# KiCad board AMC_FMC_Carrier-PcbDoc.kicad_pcb (continued)
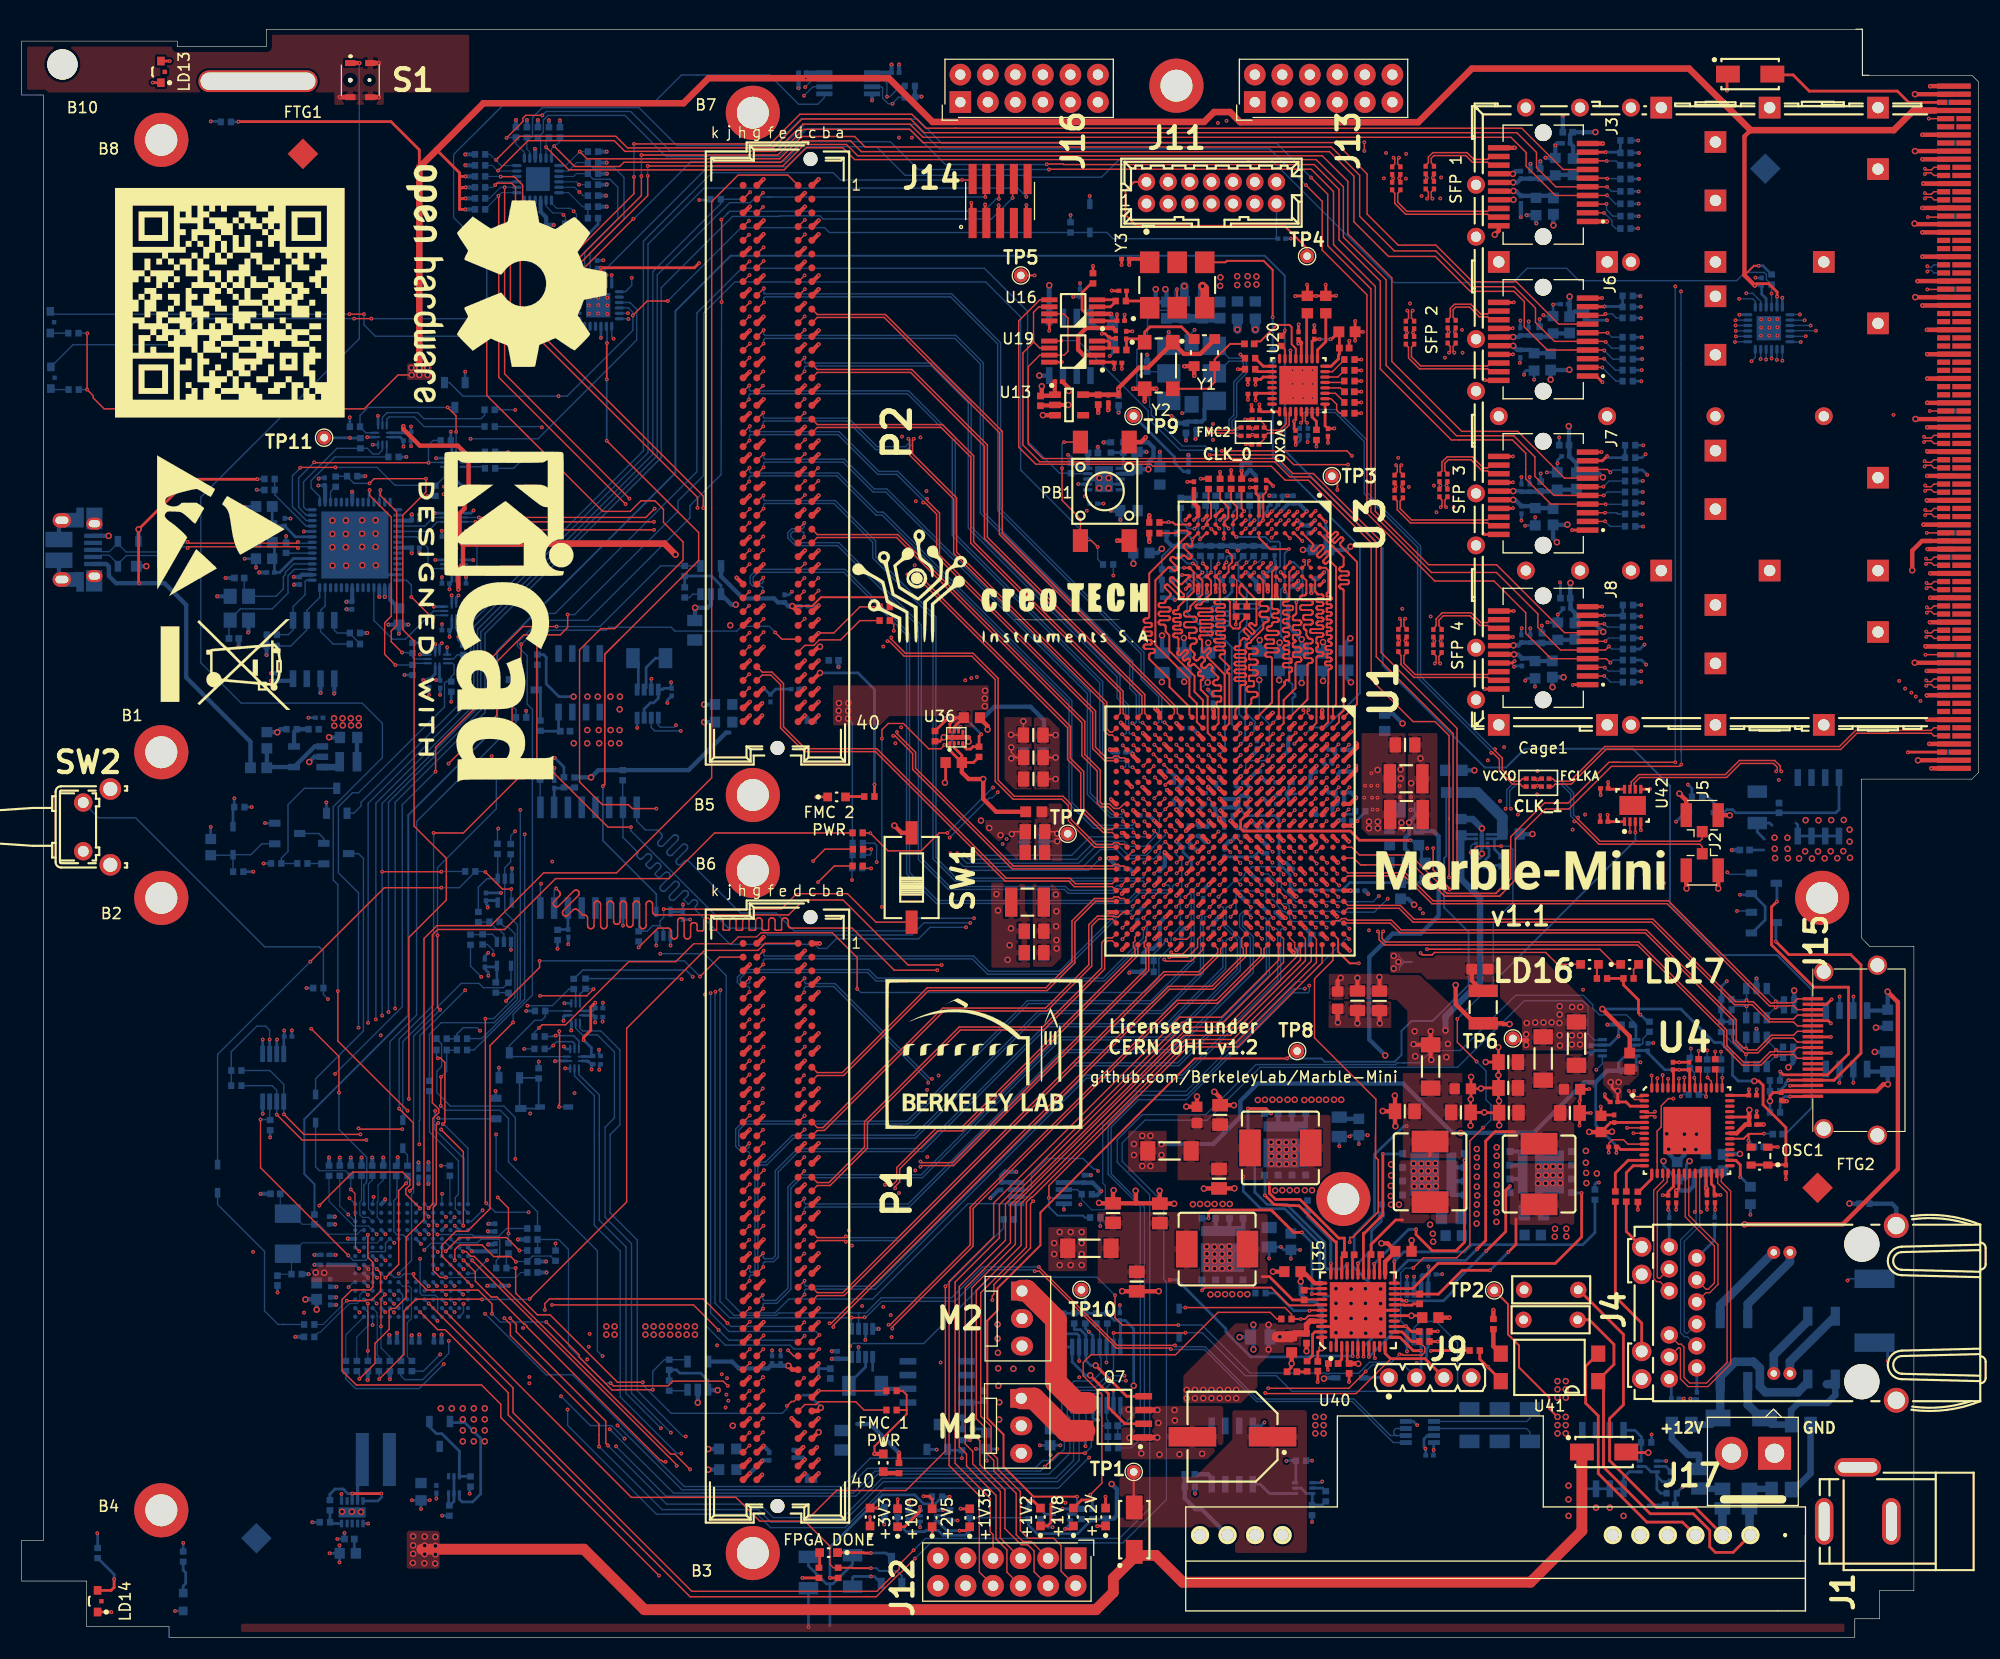
[diagram p0: board, top side]
## Nets (continued)
+3V3P: C40.2 C136.1 C179.1 C181.1 C190.1 C191.2 C192.2 C197.1 C198.1 C200.1 C201.1 C202.1 C203.1 C204.1 C205.1 C206.1 C207.1 C208.1 C209.1 C215.1 C342.1 C351.1 C358.1 C359.1 C380.1 C382.1 C388.1 D5.1 J14.1 L9.1 P3.4 Q15.4 Q25.2 R39.1 R40.1 R41.1 R45.2 R46.2 R47.2 R48.2 R57.2 R75.2 R128.1 R130.1 R133.1 R134.1 R138.2 R139.2 R140.2 R143.1 R145.1 R172.1 R173.1 R174.1 R175.1 R176.1 R177.1 R178.1 R179.1 R199.1 R204.1 R205.1 R234.1 R246.1 R258.1 R259.1 R260.1 R261.1 R263.1 R264.1 R265.1 R266.1 R267.1 R268.1 R273.1 R274.1 R309.1 R310.1 TP10.1 U2.C5 U2.E2 U2.E9 U2.E10 U2.E12 U2.G1 U2.J14 U2.K1 U2.K8 U2.L4 U2.L11 U2.N9 U5.21 U7.5 U10.5 U17.4 U24.6 U25.6 U27.8 U28.6 U28.7 U28.8 U29.7 U29.8 U32.4 U32.7 U34.21 U34.23 U39.18 U39.21 U43.4 U44.1 U45.1 U46.8 U47.8
+5V: C363.1 R193.1
+12V: C103.1 C105.1 C134.1 C135.1 C137.1 C141.1 C151.1 C153.1 C155.1 C157.1 C159.1 C161.1 C195.1 C331.1 C343.1 C344.1 M1.2 M2.2 Q10.2 Q10.3 Q10.4 Q10.10 Q11.2 Q11.3 Q11.4 Q11.10 Q12.2 Q12.3 Q12.4 Q12.10 Q13.2 Q13.3 Q13.4 Q13.10 Q16.1 Q16.2 Q16.3 Q23.1 Q23.2 Q23.3 R202.1 R203.1 R249.1 R252.1 R254.1 R256.1 R257.1 R301.2 R302.2 R303.2 U12.8 U35.41 U43.1
+12V_AMC: C357.1 P3.2 P3.9 P3.18 P3.27 P3.42 P3.57 P3.72 P3.84 Q3.1 Q3.2 Q3.3 R111.2
+12V_FMC1: C61.1 C62.1 P1.c35 P1.c37 R182.2 R235.1 U17.2
+12V_FMC2: C5.1 C6.1 P2.c35 P2.c37 R183.2 R236.1 U32.2
/FPGA/FPGA_PWR&MISC/GNDADC: C222.2 C224.2 L28.2 U1.K9 U1.L9 U1.L10 U1.M9 U1.M10
/FPGA/FPGA_PWR&MISC/VCCADC: C222.1 C224.1 L27.2 U1.K10
/Power/+12VS: C131.1 Q1.4 Q2.1 Q2.2 Q2.3 Q3.5 Q3.6 Q3.7 Q3.8 Q4.1 Q4.2 Q4.3 Q22.4 R111.1 R301.1 R302.1 R303.1 TP2.1 U43.2
GND: B1.1 B2.1 B3.1 B4.1 B5.1 B6.1 B7.1 B8.1 B11.1 B12.1 B13.1 C1.2 C2.2 C3.2 C4.2 C5.2 C6.2 C7.2 C8.2 C9.2 C10.2 C11.2 C12.1 C13.1 C14.2 C15.2 C16.2 C17.2 C18.2 C19.2 C20.2 C21.2 C22.2 C23.2 C24.2 C25.2 C26.2 C27.2 C28.2 C29.2 C30.1 C31.2 C32.2 C33.1 C34.2 C35.2 C36.2 C37.2 C38.2 C39.2 C40.1 C41.2 C42.1 C43.2 C44.2 C45.2 C46.2 C47.1 C48.2 C49.2 C50.2 C51.2 C52.2 C53.2 C54.2 C55.2 C56.2 C57.2 C58.2 C59.2 C60.2 C61.2 C62.2 C63.2 C64.2 C65.2 C66.2 C67.2 C68.1 C69.1 C70.2 C71.2 C72.1 C73.2 C74.2 C75.1 C76.2 C77.2 C78.2 C79.2 C80.2 C81.2 C82.2 C83.2 C84.1 C85.2 C86.2 C87.1 C88.2 C89.2 C90.2 C91.2 C92.2 C93.2 C94.2 C95.2 C96.1 C97.2 C98.2 C99.1 C100.2 C101.2 C103.2 C104.2 C105.2 C106.2 C107.2 C108.2 C109.2 C110.2 C111.2 C112.2 C113.2 C115.2 C116.2 C117.2 C118.2 C119.2 C120.2 C121.2 C122.2 C123.2 C124.2 C125.2 C126.2 C127.2 C128.2 C129.2 C130.2 C131.2 C132.2 C133.2 C136.2 C137.2 C138.1 C139.2 C140.2 C141.2 C142.2 C143.2 C144.2 C145.2 C146.2 C151.2 C152.2 C153.2 C154.2 C155.2 C156.2 C157.2 C158.2 C159.2 C160.2 C161.2 C162.2 C163.2 C164.2 C165.2 C166.2 C167.2 C168.2 C169.2 C170.2 C171.2 C172.2 C173.2 C174.2 C175.2 C176.2 C177.2 C178.2 C179.2 C180.2 C181.2 C182.2 C183.2 C184.2 C185.2 C186.2 C187.2 C190.2 C191.1 C192.1 C193.2 C194.2 C195.2 C196.2 C197.2 C198.2 C199.2 C200.2 C201.2 C202.2 C203.2 C204.2 C205.2 C206.2 C207.2 C208.2 C209.2 C210.2 C211.2 C212.2 C213.2 C214.2 C215.2 C216.2 C217.2 C218.2 C219.2 C220.2 C221.2 C223.2 C225.2 C226.2 C227.2 C228.2 C229.2 C230.2 C231.2 C232.2 C233.2 C234.2 C235.2 C236.2 C237.2 C238.2 C239.2 C240.2 C241.2 C242.2 C243.2 C244.2 C245.2 C246.2 C247.2 C248.2 C249.2 C250.2 C251.2 C252.2 C253.2 C254.2 C255.2 C256.2 C257.2 C258.2 C259.2 C260.2 C261.2 C262.2 C263.2 C264.2 C265.2 C266.2 C267.2 C268.2 C269.2 C270.2 C271.2 C272.2 C273.2 C274.2 C275.2 C276.2 C277.2 C278.2 C279.2 C280.2 C281.2 C282.2 C283.2 C284.2 C285.2 C286.2 C287.2 C330.2 C331.2 C332.2 C333.2 C334.2 C335.2 C336.2 C337.2 C338.2 C339.2 C340.2 C341.2 C342.2 C343.2 C344.2 C345.2 C346.2 C347.2 C348.2 C349.2 C350.2 C351.2 C352.2 C353.2 C354.2 C355.2 C356.2 C358.2 C359.2 C360.2 C361.2 C362.2 C363.2 C364.2 C365.1 C366.1 C367.1 C368.1 C369.1 C370.2 C371.2 C372.2 C373.2 C375.2 C376.2 C377.2 C380.2 C381.2 C382.2 C383.2 C384.2 C387.2 C388.2 C389.1 Cage1.1 Cage1.2 Cage1.3 Cage1.4 Cage1.5 Cage1.6 Cage1.7 Cage1.8 Cage1.9 Cage1.10 Cage1.11 Cage1.12 Cage1.13 Cage1.14 Cage1.15 Cage1.16 Cage1.17 Cage1.18 Cage1.19 Cage1.20 Cage1.21 Cage1.22 Cage1.23 Cage1.24 Cage1.25 Cage1.26 Cage1.27 Cage1.28 Cage1.29 Cage1.30 Cage1.31 Cage1.32 Cage1.33 Cage1.34 Cage1.35 Cage1.36 Cage1.37 Cage1.38 Cage1.39 Cage1.40 Cage1.41 Cage1.42 Cage1.43 Cage1.44 Cage1.45 Cage1.46 D9.2 D10.2 D11.2 D13.1 D15.2 J1.3 J2.2 J3.1 J3.10 J3.11 J3.14 J3.17 J3.20 J5.2 J6.1 J6.10 J6.11 J6.14 J6.17 J6.20 J7.1 J7.10 J7.11 J7.14 J7.17 J7.20 J8.1 J8.10 J8.11 J8.14 J8.17 J8.20 J9.4 J10.5 J10.6 J11.1 J11.3 J11.5 J11.7 J11.9 J11.11 J12.9 J12.10 J13.9 J13.10 J14.3 J14.5 J14.9 J15.2 J15.5 J15.8 J15.11 J15.17 J15.20 J16.9 J16.10 J17.1 L28.1 LD1.1 LD2.1 LD4.1 LD6.1 LD10.1 OSC1.2 P1.c1 P1.c4 P1.c5 P1.c8 P1.c9 P1.c12 P1.c13 P1.c16 P1.c17 P1.c20 P1.c21 P1.c24 P1.c25 P1.c28 P1.c29 P1.c32 P1.c33 P1.c36 P1.c38 P1.c40 P1.d2 P1.d3 P1.d6 P1.d7 P1.d10 P1.d13 P1.d16 P1.d19 P1.d22 P1.d25 P1.d28 P1.d37 P1.d39 P1.g1 P1.g4 P1.g5 P1.g8 P1.g11 P1.g14 P1.g17 P1.g20 P1.g23 P1.g26 P1.g29 P1.g32 P1.g35 P1.g38 P1.g40 P1.h3 P1.h6 P1.h9 P1.h12 P1.h15 P1.h18 P1.h21 P1.h24 P1.h27 P1.h30 P1.h33 P1.h36 P1.h39 P2.c1 P2.c4 P2.c5 P2.c8 P2.c9 P2.c12 P2.c13 P2.c16 P2.c17 P2.c20 P2.c21 P2.c24 P2.c25 P2.c28 P2.c29 P2.c32 P2.c33 P2.c36 P2.c38 P2.c40 P2.d2 P2.d3 P2.d6 P2.d7 P2.d10 P2.d13 P2.d16 P2.d19 P2.d22 P2.d25 P2.d28 P2.d37 P2.d39 P2.g1 P2.g4 P2.g5 P2.g8 P2.g11 P2.g14 P2.g17 P2.g20 P2.g23 P2.g26 P2.g29 P2.g32 P2.g35 P2.g38 P2.g40 P2.h3 P2.h6 P2.h9 P2.h12 P2.h15 P2.h18 P2.h21 P2.h24 P2.h27 P2.h30 P2.h33 P2.h36 P2.h39 P3.1 P3.7 P3.10 P3.13 P3.16 P3.19 P3.22 P3.25 P3.28 P3.31 P3.34 P3.37 P3.40 P3.43 P3.46 P3.49 P3.52 P3.55 P3.58 P3.61 P3.64 P3.67 P3.70 P3.73 P3.76 P3.79 P3.82 P3.85 P3.86 P3.89 P3.92 P3.95 P3.98 P3.101 P3.104 P3.107 P3.110 P3.113 P3.116 P3.119 P3.122 P3.125 P3.128 P3.131 P3.134 P3.137 P3.140 P3.143 P3.146 P3.149 P3.152 P3.155 P3.158 P3.161 P3.164 P3.170 PB1.3 PB1.4 Q5.2 Q6.2 Q7.1 Q7.3 Q8.2 Q9.2 Q10.5 Q10.6 Q10.7 Q11.5 Q11.6 Q11.7 Q12.5 Q12.6 Q12.7 Q13.5 Q13.6 Q13.7 Q17.2 Q18.2 Q19.2 Q24.2 Q26.1 Q26.4 Q27.1 Q27.4 R24.1 R25.1 R26.1 R28.2 R30.2 R33.2 R42.2 R43.2 R44.2 R59.1 R60.1 R61.1 R65.1 R66.1 R69.2 R77.2 R84.1 R86.2 R96.1 R97.1 R98.1 R99.1 R100.1 R101.1 R102.1 R104.2 R105.1 R108.2 R110.2 R116.2 R119.2 R120.1 R127.2 R132.2 R137.2 R142.2 R144.2 R146.2 R147.2 R158.2 R165.1 R169.1 R170.2 R171.2 R180.2 R181.2 R185.1 R187.1 R188.2 R189.2 R190.1 R191.1 R192.1 R194.1 R196.2 R198.2 R201.2 R212.2 R222.2 R243.1 R272.1 R281.2 R284.2 R285.2 R297.1 R298.1 R300.1 S1.2 S1.3 S1.4 SW1.2 SW2.1 SW3.1 U1.A2 U1.A3 U1.A5 U1.A7 U1.A9 U1.A11 U1.A12 U1.A22 U1.AA2 U1.AA12 U1.AA22 U1.AB9 U1.AB19 U1.B3 U1.B12 U1.B19 U1.C3 U1.C6 U1.C10 U1.C12 U1.C16 U1.D3 U1.D4 U1.D8 U1.D12 U1.D13 U1.E4 U1.E5 U1.E7 U1.E9 U1.E11 U1.E12 U1.E20 U1.F5 U1.F11 U1.F17 U1.G5 U1.G6 U1.G7 U1.G8 U1.G9 U1.G10 U1.G12 U1.G14 U1.H1 U1.H7 U1.H9 U1.H11 U1.H21 U1.J8 U1.J10 U1.J12 U1.J18 U1.K5 U1.K7 U1.K11 U1.K15 U1.L2 U1.L8 U1.L22 U1.M7 U1.M11 U1.M19 U1.N6 U1.N8 U1.N16 U1.P3 U1.P7 U1.P9 U1.P11 U1.P13 U1.R8 U1.R10 U1.R12 U1.R20 U1.T7 U1.T9 U1.T11 U1.T17 U1.U4 U1.U14 U1.V1 U1.V11 U1.V21 U1.W8 U1.W18 U1.Y5 U1.Y15 U2.A10 U2.B4 U2.C11 U2.D13 U2.F3 U2.G13 U2.H3 U2.H4 U2.L8 U2.L9 U2.L13 U2.P4 U3.A9 U3.B1 U3.B3 U3.B9 U3.D1 U3.D8 U3.E1 U3.E2 U3.E8 U3.F9 U3.G1 U3.G8 U3.G9 U3.J2 U3.J8 U3.M1 U3.M9 U3.P1 U3.P9 U3.T1 U3.T9 U4.10 U4.57 U5.9 U6.2 U7.3 U8.3 U9.1 U9.3 U10.3 U11.1 U11.3 U12.2 U12.3 U12.6 U12.7 U13.2 U14.4 U14.5 U15.2 U15.3 U16.8 U17.3 U17.7 U17.8 U18.1 U18.6 U18.11 U19.8 U20.22 U20.33 U21.5 U22.2 U23.10 U23.21 U23.41 U23.45 U23.57 U24.2 U24.3 U25.1 U25.2 U25.3 U26.3 U27.10 U27.13 U28.4 U28.5 U29.4 U29.5 U29.6 U30.10 U31.4 U31.8 U31.11 U32.3 U32.8 U33.1 U33.3 U34.9 U34.18 U34.24 U34.25 U35.2 U35.17 U35.42 U35.45 U36.5 U36.9 U37.5 U37.9 U38.2 U38.3 U38.10 U39.9 U39.23 U39.24 U39.25 U40.7 U40.10 U42.2 U42.4 U42.5 U43.3 U43.8 U44.2 U45.2 U46.4 U47.4 Y1.3 Y2.2 Y3.3 Y4.2 Y4.4 Y6.3
VCCAUX: C223.1 C226.1 C227.1 C229.1 C231.1 C233.1 C235.1 C237.1 L15.2 TP7.1 U1.H12 U1.K12 U1.M12 U1.P12 U1.R11
VCCBRAM: C2.1 C3.1 C216.1 C218.1 C220.1 L33.2 U1.J11 U1.L11 U1.N11
/ALERT: R172.2 U27.14 U39.5
/AMC_connector/AMC_En: P3.41 R145.2 R155.1
/AMC_connector/AMC_GA0: P3.5 R148.1
/AMC_connector/AMC_GA1: P3.17 R149.1
/AMC_connector/AMC_GA2: P3.26 R150.1
/AMC_connector/AMC_TCK: P3.165
/AMC_connector/AMC_TDI: P3.169
/AMC_connector/AMC_TDO: P3.168
/AMC_connector/AMC_TMS: P3.166
/AMC_connector/AMC_TRST: P3.167
/AMC_connector/FCLKA_N: C294.1 P3.81
/AMC_connector/FCLKA_P: C292.1 P3.80
/AMC_connector/I2C_IPMB_SCL: P3.56 R133.2 U2.M1
/AMC_connector/I2C_IPMB_SDA: P3.71 R134.2 U2.L3
/AMC_connector/PS0#: D1.1 P3.83
/AMC_connector/PS1#: D1.2 P3.3
/AMC_connector/Rx0_N: P3.15 U4.2
/AMC_connector/Rx0_P: P3.14 U4.1
/AMC_connector/Rx1_N: P3.24
/AMC_connector/Rx1_P: P3.23
/AMC_connector/Rx2_N: P3.33
/AMC_connector/Rx2_P: P3.32
/AMC_connector/Rx3_N: P3.39
/AMC_connector/Rx3_P: P3.38
/AMC_connector/Rx8_N: P3.87
/AMC_connector/Rx8_P: P3.88
/AMC_connector/Rx9_N: P3.93
/AMC_connector/Rx9_P: P3.94
/AMC_connector/Rx10_N: P3.99
/AMC_connector/Rx10_P: P3.100
/AMC_connector/Rx11_N: P3.105
/AMC_connector/Rx11_P: P3.106
/AMC_connector/Rx12_N: P3.111
/AMC_connector/Rx12_P: P3.112
/AMC_connector/Rx13_N: P3.117
/AMC_connector/Rx13_P: P3.118
/AMC_connector/Rx14_N: P3.123
/AMC_connector/Rx14_P: P3.124
/AMC_connector/Rx15_N: P3.129
/AMC_connector/Rx15_P: P3.130
/AMC_connector/Rx17_N: P3.141
/AMC_connector/Rx17_P: P3.142
/AMC_connector/Rx18_N: P3.147 U42.7
/AMC_connector/Rx18_P: P3.148 U42.6
/AMC_connector/Rx19_N: P3.153
/AMC_connector/Rx19_P: P3.154
/AMC_connector/Rx20_N: P3.159
/AMC_connector/Rx20_P: P3.160
/AMC_connector/TCLKA_N: P3.75 U1.J21
/AMC_connector/TCLKA_P: P3.74 U1.J20
/AMC_connector/TCLKB_N: P3.78
/AMC_connector/TCLKB_P: P3.77
/AMC_connector/TCLKC_N: P3.135
/AMC_connector/TCLKC_P: P3.136
/AMC_connector/TCLKD_N: P3.138
/AMC_connector/TCLKD_P: P3.139
/AMC_connector/Tx1_N: P3.21
/AMC_connector/Tx1_P: P3.20
/AMC_connector/Tx2_N: P3.30
/AMC_connector/Tx2_P: P3.29
/AMC_connector/Tx3_N: P3.36
/AMC_connector/Tx3_P: P3.35
/AMC_connector/Tx8_N: P3.90
/AMC_connector/Tx8_P: P3.91
/AMC_connector/Tx9_N: P3.96
/AMC_connector/Tx9_P: P3.97
/AMC_connector/Tx10_N: P3.102
/AMC_connector/Tx10_P: P3.103
/AMC_connector/Tx11_N: P3.108
/AMC_connector/Tx11_P: P3.109
/AMC_connector/Tx12_N: P3.114
/AMC_connector/Tx12_P: P3.115
/AMC_connector/Tx13_N: P3.120
/AMC_connector/Tx13_P: P3.121
/AMC_connector/Tx14_N: P3.126
/AMC_connector/Tx14_P: P3.127
/AMC_connector/Tx15_N: P3.132
/AMC_connector/Tx15_P: P3.133
/AMC_connector/Tx17_N: P3.144
/AMC_connector/Tx17_P: P3.145
/AMC_connector/Tx18_N: P3.150
/AMC_connector/Tx18_P: P3.151
/AMC_connector/Tx19_N: P3.156
/AMC_connector/Tx19_P: P3.157
/AMC_connector/Tx20_N: P3.162
/AMC_connector/Tx20_P: P3.163
/EN_CON_JTAG: C193.1 D14.1 D15.1 J11.13 Q6.1 R166.2 U39.4
/EN_USB_JTAG: Q5.1 R127.1 R200.1 U39.3
/ESDSTRIP1: R243.2 R244.1
/ESDSTRIP2: R244.2
/ETH_PHY/CLK_25MHZ: C102.2 C374.2 R95.2
/ETH_PHY/MDI0_N: J4.10 U4.27
/ETH_PHY/MDI0_P: J4.11 U4.28
/ETH_PHY/MDI1_N: J4.5 U4.23
/ETH_PHY/MDI1_P: J4.4 U4.24
/ETH_PHY/MDI2_N: J4.2 U4.21
/ETH_PHY/MDI2_P: J4.3 U4.22
/ETH_PHY/MDI3_N: J4.9 U4.17
/ETH_PHY/MDI3_P: J4.8 U4.18
/ETH_PHY/MII_MDC: U2.B8 U6.4
/ETH_PHY/MII_MDIO: R62.1 U2.C9 U6.5
/ETH_PHY/PHY_RSTn: U1.M17 U4.16
/ETH_PHY/POE_VC1: D6.1 J4.13
/ETH_PHY/POE_VC2: D7.1 J4.14
/ETH_PHY/POE_VC3: D6.2 J4.15
/ETH_PHY/POE_VC4: D7.2 J4.16
/ETH_PHY/RGMII_RX_CLK: R292.2 U1.L19
/ETH_PHY/RGMII_RX_DV: R291.2 U1.H15
/ETH_PHY/RGMII_RXD0: R293.2 U1.K13
/ETH_PHY/RGMII_RXD1: R294.2 U1.H14
/ETH_PHY/RGMII_RXD2: R295.2 U1.J14
/ETH_PHY/RGMII_RXD3: R296.2 U1.K14
/ETH_PHY/RGMII_TX_CLK: U1.J15 U4.53
/ETH_PHY/RGMII_TX_EN: U1.J16 U4.56
/ETH_PHY/RGMII_TXD0: U1.G15 U4.50
/ETH_PHY/RGMII_TXD1: U1.G16 U4.51
/ETH_PHY/RGMII_TXD2: U1.G13 U4.54
/ETH_PHY/RGMII_TXD3: U1.H13 U4.55
/ETH_PHY/SD_OUT_N: P3.12 U4.5
/ETH_PHY/SD_OUT_P: P3.11 U4.4
/FANFAIL: R173.2 U27.5 U39.6
/FMC1_PRSNT_M2C_L: P1.h2 R63.1 R234.2
/FMC1_PRSNT_Override: D18.2 R151.1
/FMC1_TCK: P1.d29 R239.1 R241.2
/FMC1_TDI: P1.d30 R277.1
/FMC1_TDO: P1.d31 R278.1
/FMC1_TMS: P1.d33 R240.1 R242.2
/FMC1_TRST: P1.d34 R289.2 R290.1
/FMC2_PRSNT_M2C_L: P2.h2 R205.2 R276.1
/FMC2_PRSNT_Override: D17.2 R152.1
/FMC2_TCK: P2.d29 R241.1
/FMC2_TDI: P2.d30 R279.1
/FMC2_TDO: P2.d31 R280.1
/FMC2_TMS: P2.d33 R242.1
/FMC2_TRST: P2.d34 R289.1
/FMC_1/FMC1_3P3VAUX: C65.1 C66.1 P1.d32 U45.5
/FMC_1/FMC1_CLK0_M2C_N: P1.h5 U1.W20
/FMC_1/FMC1_CLK0_M2C_P: P1.h4 U1.W19
/FMC_1/FMC1_CLK1_M2C_N: P1.g3 U1.Y19
/FMC_1/FMC1_CLK1_M2C_P: P1.g2 U1.Y18
/FMC_1/FMC1_FUSE: R260.2 U2.F5 U45.4
/FMC_1/FMC1_GBTCLK0_M2C_N: C295.1 P1.d5
/FMC_1/FMC1_GBTCLK0_M2C_P: C293.1 P1.d4
/FMC_1/FMC1_PG_C2M: P1.d1 R153.1
/FMC_1/I2C_FMC1_SCL: P1.c30 R45.1 U5.2
/FMC_1/I2C_FMC1_SDA: P1.c31 R46.1 U5.1
/FMC_2/FMC2_3P3VAUX: C9.1 C10.1 P2.d32 R299.1 U44.5
/FMC_2/FMC2_CLK0_M2C_N: P2.h5 U1.W4
/FMC_2/FMC2_CLK0_M2C_P: P2.h4 U1.V4
/FMC_2/FMC2_CLK1_M2C_N: P2.g3 U1.T4
/FMC_2/FMC2_CLK1_M2C_P: P2.g2 U1.R4
/FMC_2/FMC2_FUSE: R258.2 U2.E1 U44.4
/FMC_2/FMC2_GBTCLK0_M2C_N: C291.1 P2.d5
/FMC_2/FMC2_GBTCLK0_M2C_P: C290.1 P2.d4
/FMC_2/FMC2_PG_C2M: P2.d1 R154.1
/FMC_2/I2C_FMC2_SCL: P2.c30 R47.1 U5.4
/FMC_2/I2C_FMC2_SDA: P2.c31 R48.1 U5.3
/FMC_TCK: R239.2 U2.F14
/FMC_TDI: R237.1 U2.M14
/FMC_TDO: R275.2 U2.N13
/FMC_TMS: R240.2 U2.P14
/FMC_TRST: R290.2 U2.K12
/FPGA/CCLK: U1.L12 U30.16
/FPGA/CFG_WP_B: U11.4 U39.8
/FPGA/CLK20_VCXO: R103.2 U1.D17
/FPGA/DDR3_CAS: R1.2 U1.J6 U3.K3
/FPGA/DDR3_CK_N: R21.2 U1.P4 U3.K7
/FPGA/DDR3_CK_P: R20.2 U1.P5 U3.J7
/FPGA/DDR3_CKE: R22.2 U1.L1 U3.K9
/FPGA/DDR3_CS: R24.2 U3.L2
/FPGA/DDR3_LDM: U1.G2 U3.E7
/FPGA/DDR3_LDQS_N: U1.J2 U3.G3
/FPGA/DDR3_LDQS_P: U1.K2 U3.F3
/FPGA/DDR3_ODT: R25.2 U1.K4 U3.K1
/FPGA/DDR3_RAS: R2.2 U1.J4 U3.J3
/FPGA/DDR3_RST_N: R26.2 U1.G4 U3.T2
/FPGA/DDR3_UDM: U1.E2 U3.D3
/FPGA/DDR3_UDQS_N: U1.D1 U3.B7
/FPGA/DDR3_UDQS_P: U1.E1 U3.C7
/FPGA/DDR3_WE: R3.2 U1.K3 U3.L3
/FPGA/DXN_0: R129.1 U1.N9
/FPGA/DXP_0: C188.1 C189.1 U1.N10 U27.9
/FPGA/EXP_INT: R199.2 U34.22 U39.22 U47.7
/FPGA/FPGA_13_14/CFG_D02: R209.1 U1.P21
/FPGA/FPGA_13_14/CFG_D03: R210.1 U1.R21
/FPGA/FPGA_13_14/CFG_DIN: U1.R22 U30.8
/FPGA/FPGA_13_14/CFG_FCS: R223.2 U1.T19 U30.7
/FPGA/FPGA_13_14/CFG_MOSI: U1.P22 U30.15
/FPGA/FPGA_13_14/CFG_PUDC: R221.2 R222.1 U1.U22
/FPGA/FPGA_13_14/CFG_WP: R209.2 SW1.1 U11.2 U30.9
/FPGA/FPGA_15_16/HDMI_5V: C37.1 C104.1 J15.18 R217.1 R218.1 R220.1 U12.1
/FPGA/FPGA_15_16/HDMI_HPD: J15.19 R220.2
/FPGA/FPGA_15_16/I2C_SCL: R305.2 U1.A14 U46.2
/FPGA/FPGA_15_16/I2C_SDA: R304.2 U1.A13 U46.3
/FPGA/FPGA_15_16/Rx18_SE: U1.B21 U42.3
/FPGA/FPGA_15_16/TMDS0_N: D11.6 J15.9 R206.2 U1.A20
/FPGA/FPGA_15_16/TMDS0_P: D11.1 J15.7 R207.2 U1.B20
/FPGA/FPGA_15_16/TMDS1_N: D10.6 J15.6 R208.2 U1.A19
/FPGA/FPGA_15_16/TMDS1_P: D10.1 J15.4 R211.2 U1.A18
/FPGA/FPGA_15_16/TMDS2_N: D10.4 J15.3 R219.2 U1.A16
/FPGA/FPGA_15_16/TMDS2_P: D10.3 J15.1 R226.2 U1.A15
/FPGA/FPGA_15_16/TMDS_CLK_N: D11.4 J15.12 R141.2 U1.B18
/FPGA/FPGA_15_16/TMDS_CLK_P: D11.3 J15.10 R164.2 U1.B17
/FPGA/FPGA_DONE: Q19.1 R162.2 R313.2 U1.G11 U2.B11
/FPGA/FPGA_INT: U1.F18 U2.J10
/FPGA/FPGA_MGT/EXT_CLK_N: C379.1 J2.1
/FPGA/FPGA_MGT/EXT_CLK_P: C378.1 J5.1
/FPGA/FPGA_MGT/MGT_CLK_0_N: C291.2 C297.2 C386.2 U1.E6
/FPGA/FPGA_MGT/MGT_CLK_0_P: C290.2 C296.2 C385.2 U1.F6
/FPGA/FPGA_MGT/MGT_CLK_1_N: C289.2 C294.2 C295.2 C379.2 U1.E10
/FPGA/FPGA_MGT/MGT_CLK_1_P: C288.2 C292.2 C293.2 C378.2 U1.F10
/FPGA/FPGA_MGT/MGT_RX_0_N: C307.2 C323.2 U1.A8
/FPGA/FPGA_MGT/MGT_RX_0_P: C306.2 C322.2 U1.B8
/FPGA/FPGA_MGT/MGT_RX_1_N: C309.2 C325.2 U1.C11
/FPGA/FPGA_MGT/MGT_RX_1_P: C308.2 C324.2 U1.D11
/FPGA/FPGA_MGT/MGT_RX_2_N: C311.2 C327.2 U1.A10
/FPGA/FPGA_MGT/MGT_RX_2_P: C310.2 C326.2 U1.B10
/FPGA/FPGA_MGT/MGT_RX_3_N: C313.2 C329.2 U1.C9
/FPGA/FPGA_MGT/MGT_RX_3_P: C312.2 C328.2 U1.D9
/FPGA/FPGA_MGT/MGT_TX_0_N: C299.2 C315.2 U1.A4
/FPGA/FPGA_MGT/MGT_TX_0_P: C298.2 C314.2 U1.B4
/FPGA/FPGA_MGT/MGT_TX_1_N: C301.2 C317.2 U1.C5
/FPGA/FPGA_MGT/MGT_TX_1_P: C300.2 C316.2 U1.D5
/FPGA/FPGA_MGT/MGT_TX_2_N: C303.2 C319.2 U1.A6
/FPGA/FPGA_MGT/MGT_TX_2_P: C302.2 C318.2 U1.B6
/FPGA/FPGA_MGT/MGT_TX_3_N: C305.2 C321.2 U1.C7
/FPGA/FPGA_MGT/MGT_TX_3_P: C304.2 C320.2 U1.D7
/FPGA/FPGA_MISO: U1.F20 U2.J12
/FPGA/FPGA_MOSI: U1.F19 U2.J13
/FPGA/FPGA_PWR&MISC/FPGA_INIT: R159.1 R282.1 U1.U12
/FPGA/FPGA_REF_CLK0_N: C288.1 R59.2 U20.5
/FPGA/FPGA_REF_CLK0_P: C289.1 R60.2 U20.6
/FPGA/FPGA_REF_CLK1_N: C296.1 R61.2 U20.2
/FPGA/FPGA_REF_CLK1_P: C297.1 R169.2 U20.3
/FPGA/FPGA_RESETn: R142.1 R159.2 U2.H12
/FPGA/FPGA_SCK: U1.C20 U2.H13
/FPGA/FPGA_SSEL: U1.D20 U2.H14
/FPGA/FPGA_TCK: R229.1 U1.V12
/FPGA/FPGA_TDI: R215.1 U1.R13
/FPGA/FPGA_TDO: R216.1 U1.U13
/FPGA/FPGA_TMS: R228.1 U1.T13
/FPGA/FPGA_XR_GPIO_0: U1.B22 U35.9
/FPGA/I2C_APP_SCL: R57.1 U5.15 U17.5 U32.5 U34.19 U39.19 U43.5 Y6.8
/FPGA/I2C_APP_SDA: R75.1 U5.14 U17.6 U32.6 U34.20 U39.20 U43.6 U43.7 Y6.7
/FPGA/I2C_FPGA_SCL: R39.2 R136.1 U5.19 U46.7
/FPGA/I2C_FPGA_SDA: R40.2 R135.1 U5.20 U46.6
/FPGA/I2C_FPGA_SW_RST: R41.2 U5.24 U47.6
/FPGA/I2C_HDMI_SCL: Q20.2 R83.1 U5.17
/FPGA/I2C_HDMI_SDA: Q21.2 R91.1 U5.16
/FPGA/PROG_B: PB1.1 PB1.2 R160.2 U1.N12 U2.A11
/FPGA/Self_FPGA_TCK: U1.E18 U8.8
/FPGA/Self_FPGA_TDI: U1.D19 U8.9
/FPGA/Self_FPGA_TDO: U1.E19 U9.9
/FPGA/Self_FPGA_TMS: U1.C19 U9.8
/FPGA/SFP1_DEF0: J3.6 R37.2 U34.3
/FPGA/SFP1_LOS: J3.8 R38.2 U34.4
/FPGA/SFP1_RS: J3.7 U39.17
/FPGA/SFP1_TX_DIS: J3.3 R105.2 U34.2
/FPGA/SFP1_TX_FAULT: J3.2 R34.2 U34.1
/FPGA/SFP2_DEF0: J6.6 R73.2 U34.16
/FPGA/SFP2_LOS: J6.8 R74.2 U34.17
/FPGA/SFP2_RS: J6.7 U39.16
/FPGA/SFP2_TX_DIS: J6.3 R185.2 U34.15
/FPGA/SFP2_TX_FAULT: J6.2 R70.2 U34.14
/FPGA/SFP3_DEF0: J7.6 R81.2 U34.12
/FPGA/SFP3_LOS: J7.8 R82.2 U34.13
/FPGA/SFP3_RS: J7.7 U39.15
/FPGA/SFP3_TX_DIS: J7.3 R84.2 U34.11
/FPGA/SFP3_TX_FAULT: J7.2 R78.2 U34.10
/FPGA/SFP4_DEF0: J8.6 R90.2 U34.7
/FPGA/SFP4_LOS: J8.8 R186.2 U34.8
/FPGA/SFP4_RS: J8.7 U39.14
/FPGA/SFP4_TX_DIS: J8.3 R187.2 U34.6
/FPGA/SFP4_TX_FAULT: J8.2 R87.2 U34.5
/FPGA/SFP_1_RX_N: C307.1 J3.12
/FPGA/SFP_1_RX_P: C306.1 J3.13
/FPGA/SFP_1_TX_N: C299.1 J3.19
/FPGA/SFP_1_TX_P: C298.1 J3.18
/FPGA/SFP_2_RX_N: C309.1 J6.12
/FPGA/SFP_2_RX_P: C308.1 J6.13
/FPGA/SFP_2_TX_N: C301.1 J6.19
/FPGA/SFP_2_TX_P: C300.1 J6.18
/FPGA/SFP_3_RX_N: C311.1 J7.12
/FPGA/SFP_3_RX_P: C310.1 J7.13
/FPGA/SFP_3_TX_N: C303.1 J7.19
/FPGA/SFP_3_TX_P: C302.1 J7.18
/FPGA/SFP_4_RX_N: C313.1 J8.12
/FPGA/SFP_4_RX_P: C312.1 J8.13
/FPGA/SFP_4_TX_N: C305.1 J8.19
/FPGA/SFP_4_TX_P: C304.1 J8.18
/FPGA/SI570_CLK_N: C386.1 Y6.5
/FPGA/SI570_CLK_P: C385.1 Y6.4
/FPGA/VCXO_EN: U1.E13 Y3.2
/FPGA/WR_DAC1_SYNC: U1.C13 U19.5
/FPGA/WR_DAC2_SYNC: U1.D15 U16.5
/FPGA/WR_DAC_DIN: U1.B16 U16.7 U19.7
/FPGA/WR_DAC_SCLK: U1.B15 U16.6 U19.6
/FPGA_RTS: U1.W9 U15.5
/FPGA_RxD: U1.Y9 U38.5
/FPGA_TxD: U1.U7 U38.4
/I2C_MUX/I2C_SFP1_SCL: J3.5 R36.2 R49.1 U5.6
/I2C_MUX/I2C_SFP1_SDA: J3.4 R35.2 R50.1 U5.5
/I2C_MUX/I2C_SFP2_SCL: J6.5 R55.1 R72.2 U5.13
/I2C_MUX/I2C_SFP2_SDA: J6.4 R56.1 R71.2 U5.12
/I2C_MUX/I2C_SFP3_SCL: J7.5 R53.1 R80.2 U5.11
/I2C_MUX/I2C_SFP3_SDA: J7.4 R54.1 R79.2 U5.10
/I2C_MUX/I2C_SFP4_SCL: J8.5 R51.1 R89.2 U5.8
/I2C_MUX/I2C_SFP4_SDA: J8.4 R52.1 R88.2 U5.7
/JTAG/FMC1_TDI_R: R237.2 R277.2 U10.1
/JTAG/FMC1_TDO_R: R238.2 R278.2 U10.2
/JTAG/FMC2_TDI_R: R238.1 R279.2 U7.1
/JTAG/FMC2_TDO_R: R275.1 R280.2 U7.2
/JTAG/JTAG_TCK: J11.6 R229.2 R230.2 U8.5
/JTAG/JTAG_TDI: J11.10 R215.2 R231.2 U8.4
/JTAG/JTAG_TDO: J11.8 R216.2 R233.2 U9.4
/JTAG/JTAG_TMS: J11.4 R228.2 R232.2 U9.5
/LPC_RST: D3.2 J14.10 R138.1 U2.J1
/MMC/AT_DET: R179.2 U2.B5 U41.4
/MMC/BOOT_MODE0: R286.2 U2.P9
/MMC/BOOT_MODE1: R287.2 U2.P11
/MMC/BOOT_MODE2: R288.2 U2.P3
/MMC/EN_FMC1_P12V: Q8.1 R188.1 U2.M9
/MMC/EN_FMC2_P12V: Q9.1 R201.1 U2.P5
/MMC/EN_PSU_CH: R245.2 U2.K2
/MMC/HW_ID0: R144.1 U2.M4
/MMC/HW_ID1: R146.1 U2.N3
/MMC/HW_ID2: R147.1 U2.M3
/MMC/HW_ID3: R158.1 U2.K7
/MMC/I2C_PM_SCL: J9.2 R309.2 U2.N11 U27.16 U28.2 U29.2 U35.12
/MMC/I2C_PM_SDA: J9.3 R310.2 U2.M10 U27.15 U28.1 U29.1 U35.11
/MMC/ISP_RSTn: D3.1 Q14.3
/MMC/LPC_ISPn: R128.2 U2.M13 U24.5
/MMC/MMC_CONS_PROG_RxD: U2.A3 U25.5
/MMC/MMC_CONS_PROG_TxD: U2.D5 U25.4
/MMC/MMC_TRST: R139.1 U2.D4
/MMC/OVER_TEMP: D2.1 R178.2 U2.K5 U27.7 U28.3 U29.3
/MMC/Pmod3_0: J16.1 U2.D11
/MMC/Pmod3_1: J16.3 U2.A13
/MMC/Pmod3_2: J16.5 U2.C12
/MMC/Pmod3_3: J16.7 U2.B12
/MMC/Pmod3_4: J16.2 U2.M12
/MMC/Pmod3_5: J16.4 U2.E11
/MMC/Pmod3_6: J16.6 U2.G10
/MMC/Pmod3_7: J16.8 U2.C4
/MMC/SW: R143.2 S1.1 U2.F11
/MMC_TCK: J14.4 R137.1 U2.D2
/MMC_TDI: J14.8 U2.C3
/MMC_TDO: J14.6 U2.B1
/MMC_TMS: J14.2 R140.1 U2.C2
/PMOD/Pmod1_0: J12.1 U1.C18
/PMOD/Pmod1_1: J12.3 U1.D22
/PMOD/Pmod1_2: J12.5 U1.E22
/PMOD/Pmod1_3: J12.7 U1.G21
/PMOD/Pmod1_4: J12.2 U1.D21
/PMOD/Pmod1_5: J12.4 U1.E21
/PMOD/Pmod1_6: J12.6 U1.F21
/PMOD/Pmod1_7: J12.8 U1.G22
/PMOD/Pmod2_0: J13.1 U1.F13
/PMOD/Pmod2_1: J13.3 U1.C14
/PMOD/Pmod2_2: J13.5 U1.C15
/PMOD/Pmod2_3: J13.7 U1.D16
/PMOD/Pmod2_4: J13.2 U1.F14
/PMOD/Pmod2_5: J13.4 U1.F15
/PMOD/Pmod2_6: J13.6 U1.F16
/PMOD/Pmod2_7: J13.8 U1.E16
/Power/Power_SW/EN_1V2: R167.2 U35.14 U37.6
/Power/Power_SW/EN_1V8: R157.2 U35.13 U36.6
/Power/Power_SW/PSS_XRP_BST1: C147.1 U35.35
/Power/Power_SW/PSS_XRP_BST2: C148.1 U35.29
/Power/Power_SW/PSS_XRP_BST3: C149.1 U35.24
/Power/Power_SW/PSS_XRP_BST4: C150.1 U35.18
/Power/Power_SW/PSS_XRP_GH1: Q10.1 U35.36
/Power/Power_SW/PSS_XRP_GH2: Q11.1 U35.30
/Power/Power_SW/PSS_XRP_GH3: Q12.1 U35.25
/Power/Power_SW/PSS_XRP_GH4: Q13.1 U35.19
/Power/Power_SW/PSS_XRP_GL1: Q10.8 U35.38
/Power/Power_SW/PSS_XRP_GL2: Q11.8 U35.32
/Power/Power_SW/PSS_XRP_GL3: Q12.8 U35.27
/Power/Power_SW/PSS_XRP_GL4: Q13.8 U35.21
/Power/Power_SW/PSS_XRP_LX1: C147.2 L17.1 Q10.9 U35.37
/Power/Power_SW/PSS_XRP_LX2: C148.2 L18.1 Q11.9 U35.31
/Power/Power_SW/PSS_XRP_LX3: C149.2 L19.1 Q12.9 U35.26
/Power/Power_SW/PSS_XRP_LX4: C150.2 L20.1 Q13.9 U35.20
/Power/Power_SW/XR77129ILB_F_VOUT1: C152.1 C160.1 C346.1 L17.2 L21.1 U35.5
/Power/Power_SW/XR77129ILB_F_VOUT2: C154.1 C194.1 C347.1 L18.2 L22.1 U35.6
/Power/Power_SW/XR77129ILB_F_VOUT3: C156.1 C330.1 C348.1 L19.2 L31.1 U35.7
/Power/Power_SW/XR77129ILB_F_VOUT4: C158.1 C340.1 C341.1 C345.1 C349.1 L14.1 L20.2 L32.1 U35.8
/SDRAM/DDR3_A0: R13.2 U1.L6 U3.N3
/SDRAM/DDR3_A1: R4.2 U1.M5 U3.P7
/SDRAM/DDR3_A2: R14.2 U1.P6 U3.P3
/SDRAM/DDR3_A3: R5.2 U1.K6 U3.N2
/SDRAM/DDR3_A4: R15.2 U1.M1 U3.P8
/SDRAM/DDR3_A5: R6.2 U1.M3 U3.P2
/SDRAM/DDR3_A6: R16.2 U1.N2 U3.R8
/SDRAM/DDR3_A7: R7.2 U1.M6 U3.R2
/SDRAM/DDR3_A8: R17.2 U1.P1 U3.T8
/SDRAM/DDR3_A9: R8.2 U1.P2 U3.R3
/SDRAM/DDR3_A10: R18.2 U1.L4 U3.L7
/SDRAM/DDR3_A11: R9.2 U1.N5 U3.R7
/SDRAM/DDR3_A12: R19.2 U1.L3 U3.N7
/SDRAM/DDR3_A13: R10.2 U1.R1 U3.T3
/SDRAM/DDR3_A14: R23.2 U1.N3 U3.T7
/SDRAM/DDR3_A15: R11.2 U1.E3 U3.M7
/SDRAM/DDR3_BA0: R27.2 U1.L5 U3.M2
/SDRAM/DDR3_BA1: R12.2 U1.M2 U3.N8
/SDRAM/DDR3_BA2: R106.2 U1.N4 U3.M3
/SDRAM/DDR3_DQ0: U1.G3 U3.E3
/SDRAM/DDR3_DQ1: U1.J1 U3.F7
/SDRAM/DDR3_DQ2: U1.H4 U3.F2
/SDRAM/DDR3_DQ3: U1.H5 U3.F8
/SDRAM/DDR3_DQ4: U1.H2 U3.H3
/SDRAM/DDR3_DQ5: U1.K1 U3.H8
/SDRAM/DDR3_DQ6: U1.H3 U3.G2
/SDRAM/DDR3_DQ7: U1.J5 U3.H7
/SDRAM/DDR3_DQ8: U1.G1 U3.D7
/SDRAM/DDR3_DQ9: U1.B1 U3.C3
/SDRAM/DDR3_DQ10: U1.F1 U3.C8
/SDRAM/DDR3_DQ11: U1.F3 U3.C2
/SDRAM/DDR3_DQ12: U1.C2 U3.A7
/SDRAM/DDR3_DQ13: U1.A1 U3.A2
/SDRAM/DDR3_DQ14: U1.D2 U3.B8
/SDRAM/DDR3_DQ15: U1.B2 U3.A3
/SDRAM/PGOOD: R29.2 U2.E14 U31.9
/SDRAM/VREF_DDR3: C23.1 C25.1 U3.H1 U3.M8 U31.6
/SI570_OE: R308.2 U39.1 Y6.2
/THERM: R130.2 U27.6 U39.7
/USB/USB_D_N: D13.2 J10.2 U23.7
/USB/USB_D_P: D13.3 J10.3 U23.8
/USB_TCK: R230.1 U26.5
/USB_TDI_DO: R231.1 U26.4
/USB_TDO_DI: R233.1 U33.4
/USB_TMS: R232.1 U33.5
/WhiteRabbit/WR_DAC_OUT1: C109.1 R93.1 Y1.1 Y2.1
/WhiteRabbit/WR_DAC_OUT2: C108.1 R92.1 Y3.1
FMC1_LA_0_N: P1.g7 U1.V20
FMC1_LA_0_P: P1.g6 U1.U20
FMC1_LA_1_N: P1.d9 U1.V19
FMC1_LA_1_P: P1.d8 U1.V18
FMC1_LA_2_N: P1.h8 U1.R16
FMC1_LA_2_P: P1.h7 U1.P15
FMC1_LA_3_N: P1.g10 U1.N14
FMC1_LA_3_P: P1.g9 U1.N13
FMC1_LA_4_N: P1.h11 U1.W17
FMC1_LA_4_P: P1.h10 U1.V17
FMC1_LA_5_N: P1.d12 U1.R19
FMC1_LA_5_P: P1.d11 U1.P19
FMC1_LA_6_N: P1.c11 U1.AB18
FMC1_LA_6_P: P1.c10 U1.AA18
FMC1_LA_7_N: P1.h14 U1.AA21
FMC1_LA_7_P: P1.h13 U1.AA20
FMC1_LA_8_N: P1.g13 U1.P17
FMC1_LA_8_P: P1.g12 U1.N17
FMC1_LA_9_N: P1.d15 U1.T18
FMC1_LA_9_P: P1.d14 U1.R18
FMC1_LA_10_N: P1.c15 U1.AB20
FMC1_LA_10_P: P1.c14 U1.AA19
FMC1_LA_11_N: P1.h17 U1.R17
FMC1_LA_11_P: P1.h16 U1.P16
FMC1_LA_12_N: P1.g16 U1.U18
FMC1_LA_12_P: P1.g15 U1.U17
FMC1_LA_13_N: P1.d18 U1.W22
FMC1_LA_13_P: P1.d17 U1.W21
FMC1_LA_14_N: P1.c19 U1.AB22
FMC1_LA_14_P: P1.c18 U1.AB21
FMC1_LA_15_N: P1.h20 U1.Y22
FMC1_LA_15_P: P1.h19 U1.Y21
FMC1_LA_16_N: P1.g19 U1.R14
FMC1_LA_16_P: P1.g18 U1.P14
FMC1_LA_17_N: P1.d21 U1.K19
FMC1_LA_17_P: P1.d20 U1.K18
FMC1_LA_18_N: P1.c23 U1.H19
FMC1_LA_18_P: P1.c22 U1.J19
FMC1_LA_19_N: P1.h23 U1.L15
FMC1_LA_19_P: P1.h22 U1.L14
FMC1_LA_20_N: P1.g22 U1.L13
FMC1_LA_20_P: P1.g21 U1.M13
FMC1_LA_21_N: P1.h26 U1.N19
FMC1_LA_21_P: P1.h25 U1.N18
FMC1_LA_22_N: P1.g25 U1.L21
FMC1_LA_22_P: P1.g24 U1.M21
FMC1_LA_23_N: P1.d24 U1.M20
FMC1_LA_23_P: P1.d23 U1.N20
FMC1_LA_24_N: P1.h29 U1.J17
FMC1_LA_24_P: P1.h28 U1.K17
FMC1_LA_25_N: P1.g28 U1.L18
FMC1_LA_25_P: P1.g27 U1.M18
FMC1_LA_26_N: P1.d27 U1.G20
FMC1_LA_26_P: P1.d26 U1.H20
FMC1_LA_27_N: P1.c27 U1.M22
FMC1_LA_27_P: P1.c26 U1.N22
FMC1_LA_28_N: P1.h32 U1.M16
FMC1_LA_28_P: P1.h31 U1.M15
FMC1_LA_29_N: P1.g31 U1.K22
FMC1_LA_29_P: P1.g30 U1.K21
FMC1_LA_30_N: P1.h35 U1.K16
FMC1_LA_30_P: P1.h34 U1.L16
FMC1_LA_31_N: P1.g34 U1.H22
FMC1_LA_31_P: P1.g33 U1.J22
FMC1_LA_32_N: P1.h38 U1.G18
FMC1_LA_32_P: P1.h37 U1.G17
FMC1_LA_33_N: P1.g37 U1.H18
FMC1_LA_33_P: P1.g36 U1.H17
FMC2_LA_0_N: P2.g7 U1.U5
FMC2_LA_0_P: P2.g6 U1.T5
FMC2_LA_1_N: P2.d9 U1.AA4
FMC2_LA_1_P: P2.d8 U1.Y4
FMC2_LA_2_N: P2.h8 U1.V3
FMC2_LA_2_P: P2.h7 U1.U3
FMC2_LA_3_N: P2.g10 U1.V2
FMC2_LA_3_P: P2.g9 U1.U2
FMC2_LA_4_N: P2.h11 U1.V5
FMC2_LA_4_P: P2.h10 U1.U6
FMC2_LA_5_N: P2.d12 U1.T6
FMC2_LA_5_P: P2.d11 U1.R6
FMC2_LA_6_N: P2.c11 U1.U1
FMC2_LA_6_P: P2.c10 U1.T1
FMC2_LA_7_N: P2.h14 U1.V8
FMC2_LA_7_P: P2.h13 U1.V9
FMC2_LA_8_N: P2.g13 U1.Y2
FMC2_LA_8_P: P2.g12 U1.W2
FMC2_LA_9_N: P2.d15 U1.AA3
FMC2_LA_9_P: P2.d14 U1.Y3
FMC2_LA_10_N: P2.c15 U1.Y1
FMC2_LA_10_P: P2.c14 U1.W1
FMC2_LA_11_N: P2.h17 U1.AA6
FMC2_LA_11_P: P2.h16 U1.Y6
FMC2_LA_12_N: P2.g16 U1.W5
FMC2_LA_12_P: P2.g15 U1.W6
FMC2_LA_13_N: P2.d18 U1.W7
FMC2_LA_13_P: P2.d17 U1.V7
FMC2_LA_14_N: P2.c19 U1.AB1
FMC2_LA_14_P: P2.c18 U1.AA1
FMC2_LA_15_N: P2.h20 U1.AB5
FMC2_LA_15_P: P2.h19 U1.AA5
FMC2_LA_16_N: P2.g19 U1.AB2
FMC2_LA_16_P: P2.g18 U1.AB3
FMC2_LA_17_N: P2.d21 U1.W12
FMC2_LA_17_P: P2.d20 U1.W11
FMC2_LA_18_N: P2.c23 U1.V14
FMC2_LA_18_P: P2.c22 U1.V13
FMC2_LA_19_N: P2.h23 U1.Y12
FMC2_LA_19_P: P2.h22 U1.Y11
FMC2_LA_20_N: P2.g22 U1.AA11
FMC2_LA_20_P: P2.g21 U1.AA10
FMC2_LA_21_N: P2.h26 U1.AA14
FMC2_LA_21_P: P2.h25 U1.Y13
FMC2_LA_22_N: P2.g25 U1.W16
FMC2_LA_22_P: P2.g24 U1.W15
FMC2_LA_23_N: P2.d24 U1.W10
FMC2_LA_23_P: P2.d23 U1.V10
FMC2_LA_24_N: P2.h29 U1.Y14
FMC2_LA_24_P: P2.h28 U1.W14
FMC2_LA_25_N: P2.g28 U1.AB12
FMC2_LA_25_P: P2.g27 U1.AB11
FMC2_LA_26_N: P2.d27 U1.AA16
FMC2_LA_26_P: P2.d26 U1.Y16
FMC2_LA_27_N: P2.c27 U1.AB10
FMC2_LA_27_P: P2.c26 U1.AA9
FMC2_LA_28_N: P2.h32 U1.T15
FMC2_LA_28_P: P2.h31 U1.T14
FMC2_LA_29_N: P2.g31 U1.U16
FMC2_LA_29_P: P2.g30 U1.T16
FMC2_LA_30_N: P2.h35 U1.V15
FMC2_LA_30_P: P2.h34 U1.U15
FMC2_LA_31_N: P2.g34 U1.AB13
FMC2_LA_31_P: P2.g33 U1.AA13
FMC2_LA_32_N: P2.h38 U1.AB15
FMC2_LA_32_P: P2.h37 U1.AA15
FMC2_LA_33_N: P2.g37 U1.AB17
FMC2_LA_33_P: P2.g36 U1.AB16
MGTAVCC: C1.1 C4.1 C217.1 C219.1 C221.1 L34.2 U1.D6 U1.D10 U1.E8 U1.F7 U1.F9
MGTAVTT: C146.1 C225.1 C228.1 C230.1 C232.1 C234.1 C236.1 C238.1 L16.2 R161.2 R253.1 TP8.1 U1.B5 U1.B7 U1.B9 U1.B11 U1.C4 U1.C8
Rx_4_N: C323.1 P3.48
Rx_4_P: C322.1 P3.47
Rx_5_N: C325.1 P3.54
Rx_5_P: C324.1 P3.53
Rx_6_N: C327.1 P3.63
Rx_6_P: C326.1 P3.62
Rx_7_N: C329.1 P3.69
Rx_7_P: C328.1 P3.68
Tx_4_N: C315.1 P3.45
Tx_4_P: C314.1 P3.44
Tx_5_N: C317.1 P3.51
Tx_5_P: C316.1 P3.50
Tx_6_N: C319.1 P3.60
Tx_6_P: C318.1 P3.59
Tx_7_N: C321.1 P3.66
Tx_7_P: C320.1 P3.65
VTT_DDR3: C26.1 C27.1 C365.2 C366.2 C367.2 C368.2 C369.2 R1.1 R2.1 R3.1 R4.1 R5.1 R6.1 R7.1 R8.1 R9.1 R10.1 R11.1 R12.1 R13.1 R14.1 R15.1 R16.1 R17.1 R18.1 R19.1 R20.1 R21.1 R22.1 R23.1 R27.1 R106.1 TP9.1 U31.3 U31.5